# Altium PCB PexCardVer0.1.PcbDoc (part 3 of 3)
Units mil, origin at the board's own origin, x right, y up, seen from the top; angles counter-clockwise.
Board outline 5943.76 x 1774.48 mil, 4 copper layers (Top Layer, Layer 1, Layer 2, Bottom Layer), stack 62.337 mil thick; 70 components, 137 nets, 677 pads, 468 vias.
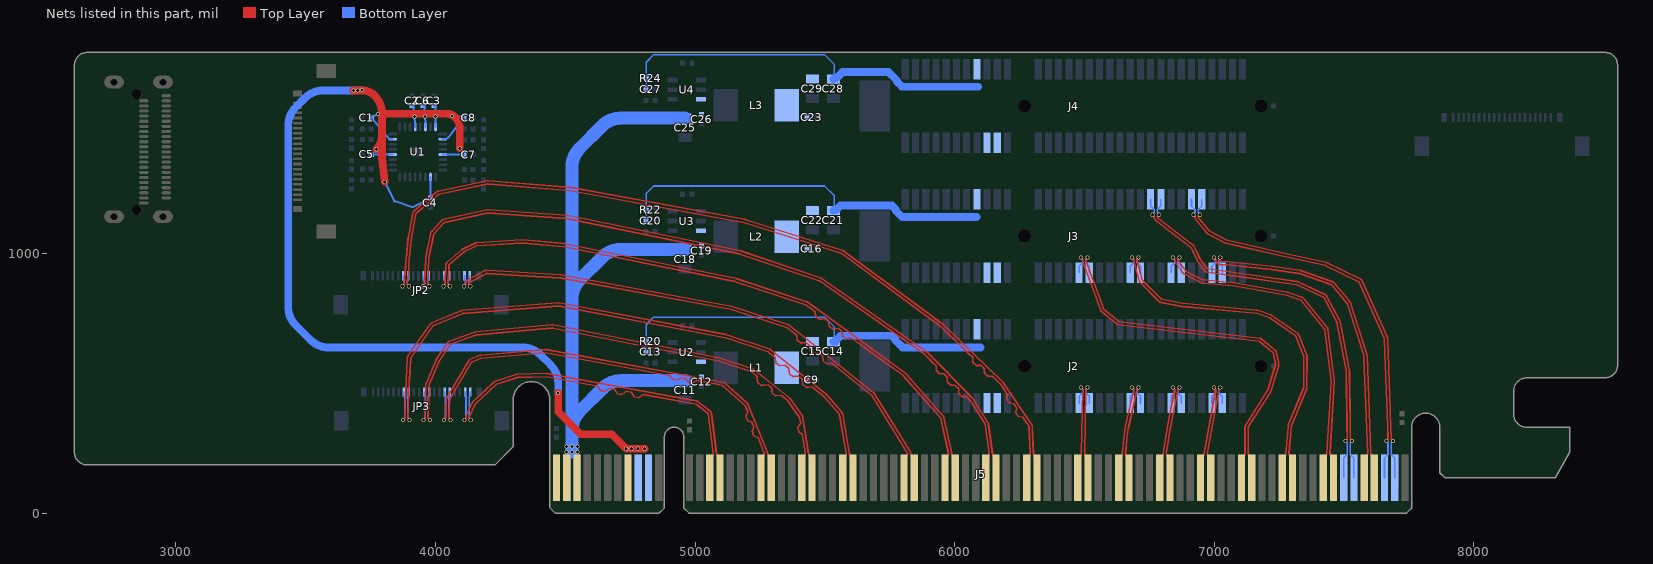
[diagram p5: the nets of this part, all layers, seen from the top]

## Via types
v1: diameter 15.75, hole 11.81, Top Layer to Bottom Layer, tented both sides, 468 vias

## Nets (pads, with @x,y where several pads share a name; then routed paths per layer and width w, separated by ;. In a path a pad name is that pad's centre, name@x,y a point inside that pad or via, vN(x,y) a via of type N, cw(c..) or ccw(c..) an arc to the next point about the centre after c; other vN are vias at no path point) (continued)
RX14_N: J3.B24 J5.A77 | length 1564.4
  Top Layer w6.38: v1(6786.64,1149.32) 6782.48,1145.15 ccw(c6787,1140.64) 6783.13,1135.57 6916.13,1034 ; 6916.19,1033.96 cw(c6909.19,1023.75) 6920.06,1029.68 6929.14,1013.03 cw(c6901.6,998) 6930.26,1010.78 6944.88,977.98 ccw(c6950.71,980.58) 6945.58,976.79 6970.4,943.16 ccw(c6975.53,946.95) 6974.64,940.64 7109.96,922 cw(c7108.27,909.74) 7110.02,922 7317.78,892.39 cw(c7316.04,880.14) 7317.9,892.38 cw(c7315.12,873.82) 7323.18,890.76 7425.37,842.1 cw(c7420.05,830.93) 7425.65,841.97 cw(c7417.25,825.19) 7433.85,833.94 7482.51,741.61 cw(c7471.56,735.84) 7482.61,741.41 cw(c7465.89,732.9) 7484.31,736.47 7520.05,551.91 cw(c7507.89,549.56) 7520.08,551.73 cw(c7501.62,548.38) 7520.38,548.65 7523.4,336.19 ; 7523.4,336.15 7524.01,287.5 cw(c7505.25,287.27) 7524.01,287.27 ccw(c7530.39,287.27) 7525.87,282.77 v1(7530.02,278.59)
  Bottom Layer w6.38: v1(6786.64,1149.32) 6786.64,1151.73 6780.62,1157.74 6780.62,1169.65 6794.12,1183.14 J3.B24@6794.12,1208.73 ; v1(7530.02,278.59) 7530.02,276.19 7524.01,270.17 7524.01,225.57 7537.5,212.08 J5.A77@7537.5,136.08
RX14_P: J3.B23 J5.A76 | length 1563.6
  Top Layer w6.38: v1(6762.23,1149.32) 6766.38,1145.15 cw(c6761.86,1140.64) 6768.24,1140.64 ccw(c6787,1140.64) 6775.62,1125.74 6908.62,1024.16 ; 6909.19,1023.75 6918.28,1007.1 cw(c6901.6,998) 6918.95,1005.74 6933.58,972.94 ccw(c6950.71,980.58) 6935.62,969.44 6960.44,935.81 ; 6960.48,935.76 ccw(c6975.53,946.95) 6972.91,928.38 ; 6972.93,928.37 7108.27,909.74 ; 7108.3,909.74 7316.04,880.14 cw(c7315.12,873.82) 7317.86,879.58 7420.05,830.93 cw(c7417.25,825.19) 7422.89,828.17 7471.56,735.84 cw(c7465.89,732.9) 7472.16,734.11 7507.89,549.56 cw(c7501.62,548.38) 7508,548.47 7511.02,336.01 7511.57,292.22 7511.63,287.33 cw(c7505.25,287.27) 7509.77,282.77 v1(7505.61,278.59)
  Bottom Layer w6.38: J3.B23@6754.75,1208.73 6754.75,1183.14 6768.24,1169.65 6768.24,1157.74 6762.23,1151.73 v1(6762.23,1149.32) ; J5.A76@7498.13,136.08 7498.13,212.08 7511.63,225.57 7511.63,270.17 7505.61,276.19 v1(7505.61,278.59)
RX15_N: J3.B28 J5.A81 | length 1561.9
  Top Layer w6.38: v1(6944.12,1149.32) 6939.96,1145.15 ccw(c6944.48,1140.64) 6939.54,1136.61 6941.78,1133.86 6979.79,1087.25 7049.3,1051.25 7094.95,1041.01 cw(c7092.24,1028.93) 7095.02,1041 7259.7,1003.08 ; 7259.74,1003.07 ccw(c7261.13,1009.3) 7259.8,1003.06 7429.26,966.16 cw(c7426.62,954.07) 7429.48,966.11 cw(c7425.22,947.84) 7433.41,964.72 7560.31,903.15 cw(c7554.91,892.01) 7560.43,903.09 cw(c7552.1,886.29) 7569.22,893.95 7665.79,678.19 cw(c7654.49,673.13) 7665.86,678.04 cw(c7648.66,670.55) 7667.4,671.25 7680.03,332.52 cw(c7667.66,332.06) 7680.04,332.43 7681.48,287.88 cw(c7662.73,287.27) 7681.49,287.27 ccw(c7687.87,287.27) 7683.35,282.77 v1(7687.5,278.59)
  Bottom Layer w6.38: v1(6944.12,1149.32) 6944.12,1151.73 6938.1,1157.74 6938.1,1169.65 6951.6,1183.14 J3.B28@6951.6,1208.73 ; v1(7687.5,278.59) 7687.5,276.19 7681.49,270.17 7681.49,225.57 7694.98,212.08 J5.A81@7694.98,136.08
RX15_P: J3.B27 J5.A80 | length 1557.2
  Top Layer w6.38: v1(6919.71,1149.32) 6923.86,1145.15 cw(c6919.34,1140.64) 6925.72,1140.64 ccw(c6944.48,1140.64) 6929.94,1128.79 6970.17,1079.46 ccw(c6979.79,1087.25) 6971.39,1078.16 ccw(c6979.79,1087.25) 6971.45,1078.1 ; 6974.1,1076.26 7043.58,1040.27 ccw(c7049.3,1051.25) 7046.54,1039.19 ccw(c7049.3,1051.25) 7046.59,1039.18 7092.24,1028.93 7256.93,991.02 7257.02,990.99 ; 7257.04,990.99 ccw(c7261.13,1009.3) 7257.19,990.96 7426.62,954.07 ; 7428,953.58 7554.91,892.01 cw(c7552.1,886.29) 7557.92,888.89 7654.49,673.13 cw(c7648.66,670.55) 7655.03,670.79 7667.66,332.06 7668.97,291.76 7669.11,287.48 cw(c7662.73,287.27) 7667.25,282.77 v1(7663.09,278.59)
  Bottom Layer w6.38: J3.B27@6912.23,1208.73 6912.23,1183.14 6925.72,1169.65 6925.72,1157.74 6919.71,1151.73 v1(6919.71,1149.32) ; J5.A80@7655.61,136.08 7655.61,212.08 7669.11,225.57 7669.11,270.17 7663.09,276.19 v1(7663.09,278.59)
TX0_N: J5.B15 JP3.2 | length 1422.5
  Top Layer w6.38: v1(4111.96,359) 4116.12,363.18 ccw(c4111.6,367.68) 4117.98,367.68 ; 4117.97,367.68 cw(c4136.73,367.68) 4117.98,368.12 cw(c4136.73,367.68) 4119.67,375.46 4142.63,425.82 ; 4142.64,425.85 cw(c4153.89,420.68) 4145.47,429.76 4227.25,505.91 cw(c4235.69,496.85) 4231.77,508.59 cw(c4235.69,496.85) 4231.92,508.64 4312.22,534.29 cw(c4315.99,522.5) 4315.61,534.87 4426.6,538.21 cw(c4426.97,525.83) 4429.22,538.01 5006.67,431.73 cw(c5004.43,419.55) 5012.01,429.34 5056.56,394.79 cw(c5045.07,379.97) 5063.65,382.52 cw(c5051.39,380.8) 5063.67,382.36 5082.92,230.44 cw(c5064.3,228.09) 5083.06,228.09 ccw(c5089.44,228.09) 5085.73,222.9 J5.B15@5096.56,136.08
  Bottom Layer w6.38: v1(4111.96,359) 4111.96,361.41 4117.98,367.42 4117.98,450.06 4114.32,453.7 JP3.2@4114.32,466.5
TX0_P: J5.B14 JP3.1 | length 1420.9
  Top Layer w6.38: v1(4136.37,359) 4132.2,363.19 cw(c4136.73,367.68) 4130.36,367.83 cw(c4136.73,367.68) 4130.93,370.32 4153.89,420.68 4235.69,496.85 4315.99,522.5 4426.97,525.83 4606,492.88 4623.71,489.62 4635.75,472.14 4653.45,468.89 4670.93,480.93 4688.64,477.67 4700.68,460.19 4718.39,456.94 4735.87,468.98 4753.57,465.72 4765.61,448.24 4783.32,444.98 4800.8,457.03 4873.74,443.6 5004.43,419.55 5048.97,385.01 cw(c5045.07,379.97) 5051.39,380.8 5070.64,228.86 cw(c5064.3,228.09) 5070.68,228.09 cw(c5064.3,228.09) 5068,222.89 J5.B14@5057.19,136.08
  Bottom Layer w6.38: JP3.1@4134.01,466.5 4134.01,453.7 4130.35,450.06 4130.35,367.42 4136.37,361.41 v1(4136.37,359)
TX1_N: J5.B20 JP3.6 | length 1790.8
  Top Layer w6.38: v1(4033.22,359) 4037.38,363.18 ccw(c4032.86,367.68) 4039.24,367.68 cw(c4057.99,367.68) 4039.25,368.45 4042.09,437.45 cw(c4054.46,436.94) 4042.1,437.52 cw(c4054.46,436.94) 4043.8,443.23 4128.44,587.02 cw(c4139.11,580.74) 4134.25,592.13 ; 4134.31,592.15 4171.43,607.74 cw(c4176.23,596.33) 4175.16,608.67 4423.07,630.26 cw(c4424.17,617.93) 4424.17,630.31 cw(c4424.17,617.93) 4426.38,630.12 5107.45,504.58 cw(c5105.25,492.4) 5113.5,501.63 5200.67,423.73 cw(c5188.12,409.78) 5205.45,416.97 cw(c5194.03,412.19) 5205.52,416.81 5278.56,235.08 cw(c5261.15,228.09) 5279.91,228.09 ccw(c5286.29,228.09) 5282.58,222.9 J5.B20@5293.41,136.08
  Bottom Layer w6.38: v1(4033.22,359) 4033.22,361.41 4039.24,367.42 4039.24,450.06 4035.59,453.7 JP3.6@4035.59,466.5
TX1_P: J5.B19 JP3.5 | length 1793.2
  Top Layer w6.38: v1(4057.63,359) 4053.46,363.19 cw(c4057.99,367.68) 4051.62,367.94 4054.46,436.94 4139.11,580.74 4176.23,596.33 4424.17,617.93 4885.81,532.84 4903.52,529.58 4913.41,515.22 4931.11,511.95 4945.47,521.85 4963.18,518.58 4973.07,504.22 4990.77,500.96 5005.13,510.85 5037.17,504.94 5105.25,492.4 5117.7,481.26 5183.89,422.12 5192.34,414.57 cw(c5188.12,409.78) 5194.03,412.19 5196.43,406.21 5203.15,389.51 5196.14,373.08 5202.85,356.38 5219.28,349.37 5226.66,331 5219.66,314.57 5226.37,297.87 5242.8,290.87 5263.07,240.43 5267.07,230.47 cw(c5261.15,228.09) 5264.85,222.89 J5.B19@5254.04,136.08
  Bottom Layer w6.38: JP3.5@4055.26,466.5 4055.26,453.7 4051.61,450.06 4051.61,367.42 4057.63,361.41 v1(4057.63,359)
TX2_N: J5.B24 JP3.10 | length 2144.9
  Top Layer w6.38: v1(3954.48,359) 3958.64,363.18 ccw(c3954.11,367.68) 3960.49,367.68 cw(c3979.26,367.68) 3960.5,368.11 3963.43,495.46 cw(c3975.81,495.18) 3963.43,495.51 cw(c3975.81,495.18) 3964.4,499.99 4002.86,590.66 cw(c4014.25,585.83) 4004.03,592.81 ; 4004.04,592.83 4048.71,657.99 cw(c4058.92,650.99) 4054.72,662.64 4151.07,697.37 cw(c4157.44,679.72) 4155.49,698.38 cw(c4156.81,686.07) 4155.69,698.4 4449,725.24 cw(c4450.71,706.55) 4454.12,725 cw(c4451.9,712.82) 4454.31,724.97 5090.38,599 cw(c5087.97,586.85) 5091.8,598.63 ; 5091.82,598.62 5221.53,556.43 cw(c5217.72,544.65) 5221.57,556.41 ; 5221.6,556.41 cw(c5217.72,544.65) 5224.59,554.95 cw(c5217.72,544.65) 5225.43,554.33 5362.29,445.38 cw(c5354.58,435.69) 5364.63,442.92 5412.26,376.67 cw(c5397.03,365.72) 5415.53,368.83 cw(c5403.33,366.74) 5415.56,368.66 5437.16,231.05 cw(c5418.63,228.09) 5437.39,228.09 ccw(c5443.77,228.09) J5.B24@5440.06,222.9 ; J5.B24@5440.08,222.89 J5.B24@5450.89,136.08
  Bottom Layer w6.38: v1(3954.48,359) 3954.48,361.41 3960.49,367.42 3960.49,450.06 3956.84,453.7 JP3.10@3956.84,466.5
TX2_P: J5.B23 JP3.9 | length 2142.9
  Top Layer w6.38: v1(3978.89,359) 3974.72,363.19 cw(c3979.26,367.68) 3972.88,367.82 3975.81,495.18 4014.25,585.83 4058.92,650.99 4155.24,685.72 cw(c4157.44,679.72) 4156.81,686.07 4450.12,712.91 cw(c4450.71,706.55) 4451.9,712.82 5087.97,586.85 5217.72,544.65 5224.89,538.94 5238.98,527.73 5241.78,503.01 5255.86,491.8 5280.58,494.61 5294.66,483.39 5296.99,462.9 5311.07,451.69 5331.56,454.02 5345.64,442.81 5354.58,435.69 5356.72,432.71 5402.21,369.44 cw(c5397.03,365.72) 5403.33,366.74 5403.87,363.33 5406.66,345.55 5396.29,331.33 5399.08,313.55 5413.31,303.18 5420.36,258.21 5424.93,229.11 cw(c5418.63,228.09) 5425.01,228.09 cw(c5418.63,228.09) 5422.33,222.89 J5.B23@5411.52,136.08
  Bottom Layer w6.38: JP3.9@3976.53,466.5 3976.53,453.7 3972.88,450.06 3972.88,367.42 3978.89,361.41 v1(3978.89,359)
TX3_N: J5.B28 JP3.14 | length 2478.7
  Top Layer w6.38: v1(3875.74,359) 3879.9,363.18 ccw(c3875.38,367.68) 3881.76,367.68 cw(c3900.51,367.68) 3881.77,368.45 3887.69,512.13 cw(c3915.11,511) 3887.7,512.44 3892.24,598.62 cw(c3904.6,597.97) 3892.24,598.67 cw(c3904.6,597.97) 3894.44,605.04 3980.65,728.95 cw(c3990.81,721.88) 3986.09,733.33 4099.4,780.06 cw(c4106.55,762.72) 4104.83,781.4 cw(c4106,769.08) 4105.03,781.42 4472.29,810.27 cw(c4473.7,791.56) 4476.9,810.05 cw(c4474.84,797.84) 4477.15,810 5118.92,688.23 cw(c5115.43,669.8) 5121.15,687.66 cw(c5117.41,675.86) 5121.32,687.61 5284.87,633.08 cw(c5278.94,615.28) 5290.47,630.08 cw(c5282.89,620.29) 5290.63,629.95 5505.3,458.01 cw(c5493.57,443.37) 5507.67,455.74 cw(c5498.39,447.54) 5507.79,455.6 5564.42,389.51 cw(c5550.13,377.35) 5568.57,380.8 cw(c5556.41,378.48) 5568.61,380.6 5594.6,231.3 cw(c5576.11,228.09) 5594.87,228.09 ; 5594.88,228.09 ccw(c5601.26,228.09) 5597.53,222.9 J5.B28@5608.37,136.08
  Bottom Layer w6.38: v1(3875.74,359) 3875.74,361.41 3881.76,367.42 3881.76,450.06 3878.11,453.7 JP3.14@3878.11,466.5
TX3_P: J5.B27 JP3.13 | length 2476
  Top Layer w6.38: v1(3900.15,359) 3895.98,363.19 cw(c3900.51,367.68) 3894.14,367.94 3900.06,511.62 cw(c3915.11,511) 3900.07,511.79 3904.6,597.97 3990.81,721.88 4104.12,768.62 cw(c4106.55,762.72) 4106,769.08 4473.24,797.93 cw(c4473.7,791.56) 4474.84,797.84 5116.62,676.07 cw(c5115.43,669.8) 5117.41,675.86 5280.92,621.34 cw(c5278.94,615.28) 5282.89,620.29 5294.68,610.84 5308.73,599.59 5310.99,579.13 5325.04,567.88 5345.5,570.14 5360.95,557.76 5363.21,537.3 5377.26,526.05 5397.72,528.31 5413.17,515.93 5415.44,495.47 5429.48,484.22 5449.94,486.48 5478.13,463.91 5497.56,448.35 cw(c5493.57,443.37) 5498.39,447.54 5554.98,381.5 cw(c5550.13,377.35) 5556.41,378.48 5582.4,229.18 cw(c5576.11,228.09) 5579.81,222.89 J5.B27@5569,136.08
  Bottom Layer w6.38: JP3.13@3897.78,466.5 3897.78,453.7 3894.14,450.06 3894.14,367.42 3900.15,361.41 v1(3900.15,359)
TX4_N: J5.B34 JP2.2 | length 2130.6
  Top Layer w6.38: v1(4109.86,874) 4114.01,878.18 ccw(c4109.49,882.68) 4115.87,882.68 cw(c4134.63,882.68) 4125.77,899.21 ; 4125.79,899.22 4189.19,933.21 cw(c4195.04,922.3) 4189.32,933.27 cw(c4198.03,916.66) 4199.21,935.38 4480.54,918.32 4482.57,918.2 cw(c4481.86,905.84) 4484.11,918.01 5137.88,797.24 cw(c5134.47,778.79) 5140.02,796.71 cw(c5136.4,784.87) 5140.24,796.64 5359.77,725.1 cw(c5353.96,707.26) 5365.47,722.07 cw(c5357.91,712.27) 5365.66,721.93 5688.72,462.74 cw(c5676.98,448.11) 5692.83,458.16 cw(c5682.4,451.49) 5692.94,457.98 5828.35,237.86 cw(c5812.34,228.09) 5831.1,228.09 ccw(c5837.48,228.09) J5.B34@5833.75,222.9 ; J5.B34@5833.78,222.89 J5.B34@5844.59,136.08
  Bottom Layer w6.38: v1(4109.86,874) 4109.86,876.41 4115.87,882.42 4115.87,897.55 4112.22,901.21 JP2.2@4112.22,914
TX4_P: J5.B33 JP2.1 | length 2124.5
  Top Layer w6.38: 4131.62,888.3 ccw(c4134.63,882.68) 4130.09,878.19 v1(4134.26,874) ; 4131.64,888.31 4195.04,922.3 cw(c4198.03,916.66) 4198.41,923.03 4480.33,905.93 4481.86,905.84 5135.63,785.06 cw(c5134.47,778.79) 5136.4,784.87 5355.9,713.34 cw(c5353.96,707.26) 5357.91,712.27 5368.71,703.6 5392.01,684.91 5394.04,666.39 5408.08,655.13 5426.6,657.16 5442.05,644.77 5444.08,626.25 5458.12,614.99 5476.64,617.02 5492.08,604.63 5494.11,586.11 5508.15,574.85 5526.67,576.88 5540.71,565.61 5680.98,453.09 cw(c5676.98,448.11) 5682.39,451.49 5817.77,231.43 cw(c5812.34,228.09) 5816.03,222.89 J5.B33@5805.22,136.08
  Bottom Layer w6.38: JP2.1@4131.9,914 4131.9,901.21 4128.25,897.55 4128.25,882.42 4134.26,876.41 v1(4134.26,874)
TX5_N: J5.B38 JP2.6 | length 2510.8
  Top Layer w6.38: v1(4031.12,874) 4035.27,878.18 ccw(c4030.75,882.68) 4037.13,882.68 cw(c4055.89,882.68) 4037.15,883.46 4040.19,956.53 ; 4040.19,956.58 cw(c4052.56,956.02) 4044.48,965.4 4102.86,1015.61 cw(c4110.93,1006.22) 4105.57,1017.38 4153.62,1040.46 ; 4153.63,1040.46 cw(c4158.98,1029.3) 4158.22,1041.65 4335.3,1052.59 cw(c4336.11,1040.23) 4337.17,1052.57 ; 4337.22,1052.57 4495.79,1038.35 cw(c4494.12,1019.67) 4497.62,1038.1 cw(c4495.35,1025.93) 4497.82,1038.06 5156.13,904.2 cw(c5152.39,885.81) 5158.08,903.69 cw(c5154.36,891.88) 5158.25,903.64 5428.97,814.05 cw(c5423.08,796.24) 5433.93,811.54 cw(c5426.8,801.42) 5434.05,811.46 5808.71,540.41 cw(c5797.72,525.21) 5811.62,537.81 cw(c5802.47,529.47) 5811.74,537.67 5954.36,376.38 cw(c5940.31,363.95) 5958.59,368.16 cw(c5946.53,365.34) 5958.63,367.97 5988.16,232.01 cw(c5969.82,228.09) 5988.58,228.09 ccw(c5994.96,228.09) 5991.23,222.9 J5.B38@6002.07,136.08
  Bottom Layer w6.38: v1(4031.12,874) 4031.12,876.41 4037.13,882.42 4037.13,897.55 4033.48,901.21 JP2.6@4033.48,914
TX5_P: J5.B37 JP2.5 | length 2506.1
  Top Layer w6.38: v1(4055.52,874) 4051.35,878.19 cw(c4055.89,882.68) 4049.52,882.94 4052.56,956.02 4110.93,1006.22 4158.98,1029.3 4336.11,1040.23 4494.69,1026.02 cw(c4494.12,1019.67) 4495.35,1025.93 5153.66,892.06 cw(c5152.39,885.81) 5154.36,891.88 5425.12,802.28 cw(c5423.08,796.24) 5426.8,801.42 5447.54,786.42 5462.12,775.87 5465.21,756.61 5479.79,746.06 5499.05,749.15 5513.63,738.6 5516.72,719.35 5531.31,708.8 5550.56,711.89 5565.15,701.33 5568.24,682.08 5582.82,671.53 5602.08,674.62 5653.55,637.38 5801.46,530.38 cw(c5797.72,525.21) 5802.47,529.47 5945.09,368.18 cw(c5940.31,363.95) 5946.53,365.34 5976.04,229.47 cw(c5969.82,228.09) 5973.51,222.89 J5.B37@5962.7,136.08
  Bottom Layer w6.38: JP2.5@4053.16,914 4053.16,901.21 4049.51,897.55 4049.51,882.42 4055.52,876.41 v1(4055.52,874)
TX6_N: J5.B42 JP2.10 | length 2889.6
  Top Layer w6.38: v1(3952.38,874) 3956.53,878.18 ccw(c3952.01,882.68) 3958.39,882.68 cw(c3977.15,882.68) 3958.41,883.48 3962.61,981.96 cw(c3981.35,981.23) 3962.98,985.01 3978.49,1060.44 3982.32,1079.04 cw(c3994.44,1076.55) 3985.39,1084.99 4023.67,1126.01 cw(c4037.38,1113.21) 4033.13,1131.48 cw(c4035.98,1119.43) 4033.33,1131.53 4199.5,1167.89 cw(c4203.52,1149.57) 4204.56,1168.3 cw(c4203.91,1155.94) 4204.77,1168.29 4505.48,1147.37 cw(c4504.18,1128.65) 4507.7,1147.08 cw(c4505.42,1134.91) 4507.9,1147.04 5175.14,1010.19 cw(c5171.37,991.82) 5177.16,1009.66 cw(c5173.37,997.87) 5177.32,1009.61 5482.11,907 cw(c5476.13,889.22) 5486.69,904.73 cw(c5479.75,894.47) 5486.84,904.62 5891.7,621.41 cw(c5880.9,606.07) 5894.05,619.45 cw(c5885.41,610.59) 5894.21,619.29 6067.35,444.14 cw(c6054.01,430.95) 6069.67,441.28 cw(c6059.37,434.41) 6069.85,441.01 6127.83,348.95 cw(c6111.96,338.96) 6130.5,341.8 cw(c6118.27,339.88) 6130.53,341.58 6145.89,230.6 cw(c6127.3,228.09) 6146.06,228.09 ccw(c6152.44,228.09) J5.B42@6148.71,222.9 ; J5.B42@6148.74,222.89 J5.B42@6159.55,136.08
  Bottom Layer w6.38: v1(3952.38,874) 3952.38,876.41 3958.39,882.42 3958.39,897.55 3954.74,901.21 JP2.10@3954.74,914
TX6_P: J5.B41 JP2.9 | length 2880.6
  Top Layer w6.38: v1(3976.78,874) 3972.61,878.19 cw(c3977.15,882.68) 3970.78,882.95 3974.98,981.46 cw(c3981.35,981.23) 3975.1,982.49 3990.7,1058.33 3994.44,1076.55 4032.72,1117.56 cw(c4037.38,1113.21) 4035.97,1119.43 ; 4035.98,1119.43 4202.15,1155.8 cw(c4203.52,1149.57) 4203.91,1155.94 4504.62,1135.02 cw(c4504.18,1128.65) 4505.42,1134.91 5172.65,998.07 cw(c5171.37,991.82) 5173.37,997.87 5478.17,895.27 cw(c5476.13,889.22) 5479.75,894.47 5884.56,611.3 cw(c5880.9,606.07) 5885.41,610.59 5915.87,579.78 5928.52,566.97 5928.42,549.97 5941.08,537.16 5958.08,537.07 5972,522.99 5971.91,505.98 5984.56,493.18 6001.57,493.08 6015.49,479 6015.39,461.99 6028.04,449.19 6045.05,449.09 6058.55,435.44 cw(c6054.01,430.95) 6059.37,434.41 6117.35,342.36 cw(c6111.96,338.96) 6118.27,339.88 6133.62,228.96 cw(c6127.3,228.09) 6130.99,222.89 J5.B41@6120.18,136.08
  Bottom Layer w6.38: JP2.9@3974.42,914 3974.42,901.21 3970.77,897.55 3970.77,882.42 3976.78,876.41 v1(3976.78,874)
TX7_N: J5.B46 JP2.14 | length 3258.4
  Top Layer w6.38: v1(3873.64,874) 3877.79,878.18 ccw(c3873.27,882.68) 3879.65,882.68 cw(c3898.41,882.68) 3879.71,884.13 3884.69,948.4 3885.64,960.62 cw(c3913.01,958.5) 3885.68,961.08 3894.72,1056.67 cw(c3907.05,1055.62) 3894.87,1057.81 ; 3894.87,1057.84 3912.4,1153.93 cw(c3930.86,1150.59) 3918.74,1164.91 ; 3918.79,1164.95 4003.86,1236.46 cw(c4015.93,1222.1) 4011.92,1240.43 cw(c4014.58,1228.33) 4012.02,1240.45 4198.56,1279.92 cw(c4202.44,1261.56) 4203.76,1280.28 cw(c4202.93,1267.92) 4203.93,1280.26 4521.72,1254.36 cw(c4520.2,1235.66) 4523.38,1254.15 cw(c4521.32,1241.94) 4523.55,1254.12 5192.87,1131.24 cw(c5189.49,1112.79) 5194.98,1130.72 cw(c5191.38,1118.88) 5195.13,1130.68 5565.76,1013.1 cw(c5560.09,995.22) 5571.06,1010.44 cw(c5563.85,1000.38) 5571.18,1010.35 5952.03,730.19 cw(c5940.91,715.08) 5953.75,728.76 cw(c5945.31,719.7) 5953.91,728.61 6185.1,505.38 cw(c6172.11,491.84) 6187.52,502.54 cw(c6177.37,495.45) 6187.63,502.38 6295.27,343.09 cw(c6279.73,332.58) 6298.45,333.75 cw(c6286.1,332.94) 6298.46,333.54 6303.51,229.04 cw(c6284.78,228.09) 6303.54,228.09 ccw(c6309.92,228.09) 6306.2,222.9 J5.B46@6317.03,136.08
  Bottom Layer w6.38: v1(3873.64,874) 3873.64,876.41 3879.65,882.42 3879.65,897.55 3876,901.21 JP2.14@3876,914
TX7_P: J5.B45 JP2.13 | length 3259.1
  Top Layer w6.38: v1(3898.04,874) 3893.87,878.19 cw(c3898.41,882.68) 3892.05,883.17 3897.07,947.82 3897.99,959.67 cw(c3913.01,958.5) 3898.01,959.92 3907.04,1055.53 ccw(c3900.88,1056.11) 3907.05,1055.62 3924.59,1151.73 cw(c3930.86,1150.59) 3926.74,1155.46 ; 3926.76,1155.48 4011.82,1226.98 cw(c4015.93,1222.1) 4014.58,1228.33 4201.12,1267.8 cw(c4202.44,1261.56) 4202.93,1267.92 4520.74,1242.02 cw(c4520.2,1235.66) 4521.32,1241.94 5190.67,1119.06 ; 5190.68,1119.05 cw(c5189.49,1112.79) 5191.38,1118.88 5562.02,1001.3 ; 5563.85,1000.38 5944.69,720.22 cw(c5940.91,715.08) 5945.31,719.7 6056.48,612.36 6069.43,599.85 6069.76,581.07 6082.71,568.56 6101.5,568.89 6114.45,556.39 6114.74,539.4 6127.69,526.89 6144.68,527.19 6157.63,514.69 6176.54,496.43 cw(c6172.11,491.84) 6177.37,495.45 6192.5,473.07 6193.26,471.93 6203.34,457.02 6199.99,439.69 6210.06,424.77 6227.4,421.42 6238.48,405.01 6235.13,387.68 6245.21,372.77 6262.54,369.42 6278.08,346.41 6278.85,345.28 6285.01,336.16 cw(c6279.73,332.58) 6286.1,332.94 6291.15,228.39 cw(c6284.78,228.09) 6288.47,222.89 J5.B45@6277.66,136.08
  Bottom Layer w6.38: JP2.13@3895.68,914 3895.68,901.21 3892.03,897.55 3892.03,882.42 3898.04,876.41 v1(3898.04,874)
TX8_N: J2.A17 J5.B51 | length 418.9
  Top Layer w6.38: v1(6511.05,483.68) 6506.89,479.5 ccw(c6511.41,475) 6505.03,475 cw(c6486.27,475) 6505.03,474.65 6505.03,474.6 6500.39,228.2 ccw(c6506.77,228.09) 6500.39,228.12 ccw(c6506.77,228.09) 6503.06,222.9 J5.B51@6513.88,136.08
  Bottom Layer w6.38: v1(6511.05,483.68) 6511.05,481.27 6505.03,475.26 6505.03,463.35 6518.53,449.86 J2.A17@6518.53,424.27
TX8_P: J2.A16 J5.B50 | length 418.9
  Top Layer w6.38: J5.B50@6474.51,136.08 6485.32,222.89 ccw(c6481.63,228.09) 6488.01,228.09 cw(c6506.77,228.09) 6488.01,228.43 6492.65,474.85 ccw(c6486.27,475) 6490.79,479.5 v1(6486.64,483.68)
  Bottom Layer w6.38: J2.A16@6479.16,424.27 6479.16,449.86 6492.65,463.35 6492.65,475.26 6486.64,481.27 v1(6486.64,483.68)
TX9_N: J2.A22 J5.B55 | length 423.2
  Top Layer w6.38: J5.B55@6671.36,136.08 6660.55,222.89 cw(c6664.25,228.09) 6657.87,228.09 cw(c6664.25,228.09) 6657.9,228.69 6663.08,282.81 cw(c6681.99,281) 6663.15,283.45 6669.16,329.58 cw(c6675.49,328.76) 6669.25,330.08 6701.41,470.82 ccw(c6683.12,475) 6701.88,475 cw(c6708.26,475) 6703.74,479.5 v1(6707.9,483.68)
  Bottom Layer w6.38: v1(6707.9,483.68) 6707.9,481.27 6701.88,475.26 6701.88,463.35 6715.38,449.86 J2.A22@6715.38,424.27
TX9_P: J2.A21 J5.B54 | length 421.7
  Top Layer w6.38: J5.B54@6631.99,136.08 6642.8,222.89 ccw(c6639.11,228.09) 6645.49,228.09 cw(c6664.25,228.09) 6645.57,229.87 6650.75,283.99 cw(c6681.99,281) 6650.87,285.05 6656.89,331.18 ; 6657.14,332.67 cw(c6669.25,330.09) 6657.18,332.85 6689.35,473.61 ccw(c6683.12,475) 6688.32,478.7 ccw(c6683.12,475) 6687.64,479.5 v1(6683.49,483.68)
  Bottom Layer w6.38: J2.A21@6676.01,424.27 6676.01,449.86 6689.5,463.35 6689.5,475.26 6683.49,481.27 v1(6683.49,483.68)
TX10_N: J2.A26 J5.B59 | length 422.8
  Top Layer w6.38: J5.B59@6818.02,222.9 cw(c6821.73,228.09) 6815.35,228.09 cw(c6821.73,228.09) 6815.38,228.7 cw(c6821.73,228.09) 6815.42,229.07 6830.41,326.28 6859,471.33 6859.02,471.41 ccw(c6840.6,475) 6859.36,475 cw(c6865.74,475) 6861.22,479.5 v1(6865.38,483.68) ; J5.B59@6818.03,222.89 J5.B59@6828.84,136.08
  Bottom Layer w6.38: v1(6865.38,483.68) 6865.38,481.27 6859.36,475.26 6859.36,463.35 6872.86,449.86 J2.A26@6872.86,424.27
TX10_P: J2.A25 J5.B58 | length 422.8
  Top Layer w6.38: J5.B58@6789.47,136.08 6800.28,222.89 ccw(c6796.59,228.09) 6802.97,228.09 cw(c6821.73,228.09) 6803.19,230.95 6818.18,328.16 cw(c6830.41,326.27) 6818.27,328.67 6846.86,473.74 ccw(c6840.6,475) 6845.12,479.5 v1(6840.97,483.68)
  Bottom Layer w6.38: J2.A25@6833.49,424.27 6833.49,449.86 6846.98,463.35 6846.98,475.26 6840.97,481.27 v1(6840.97,483.68)
TX11_N: J2.A30 J5.B63 | length 422.8
  Top Layer w6.38: J5.B63@6986.32,136.08 6975.51,222.89 cw(c6979.21,228.09) 6972.83,228.09 cw(c6979.21,228.09) 6972.86,228.69 cw(c6979.21,228.09) 6972.93,229.22 7016.55,471.68 ccw(c6998.08,475) 7016.84,475 cw(c7023.22,475) 7018.7,479.5 v1(7022.86,483.68)
  Bottom Layer w6.38: v1(7022.86,483.68) 7022.86,481.27 7016.84,475.26 7016.84,463.35 7030.34,449.86 J2.A30@7030.34,424.27
TX11_P: J2.A29 J5.B62 | length 422.8
  Top Layer w6.38: J5.B62@6946.95,136.08 6957.76,222.89 ccw(c6954.07,228.09) 6960.45,228.09 cw(c6979.21,228.09) 6960.53,229.87 cw(c6979.21,228.09) 6960.74,231.41 7004.36,473.87 ccw(c6998.08,475) 7003.36,478.59 ccw(c6998.08,475) 7002.61,479.5 v1(6998.45,483.68)
  Bottom Layer w6.38: J2.A29@6990.97,424.27 6990.97,449.86 7004.46,463.35 7004.46,475.26 6998.45,481.27 v1(6998.45,483.68)
TX12_N: J3.A17 J5.B67 | length 1503.1
  Top Layer w6.38: v1(6511.05,984.68) 6506.89,980.5 ccw(c6511.41,976) 6506.61,980.21 ccw(c6511.41,976) 6505.42,973.81 6558.62,828.06 6574.36,784.94 cw(c6568.55,782.82) 6574.39,784.87 6630.56,739.17 ccw(c6634.59,744.12) 6633.84,737.78 7173.12,674.22 cw(c7171.67,661.93) 7173.32,674.2 cw(c7170.89,655.59) 7182.87,670.03 7234.09,627.53 cw(c7226.23,617.96) 7238.31,620.67 7247.73,578.3 cw(c7229.41,574.23) 7247.41,568.93 ; J5.B67@7132.97,222.9 cw(c7136.69,228.09) 7130.31,228.09 7130.31,329.15 cw(c7136.69,329.15) 7131.31,332.59 7216.53,467.25 ccw(c7206.06,473.87) 7216.63,467.41 ccw(c7200.65,477.25) 7218.64,471.91 7247.4,568.89 ; J5.B67@7132.99,222.89 J5.B67@7143.8,136.08
  Bottom Layer w6.38: v1(6511.05,984.68) 6511.05,982.27 6505.03,976.26 6505.03,964.35 6518.53,950.86 J3.A17@6518.53,925.27
TX12_P: J3.A16 J5.B66 | length 1503.1
  Top Layer w6.38: v1(6486.64,984.68) 6490.79,980.5 cw(c6486.27,976) 6492.65,976 ccw(c6511.41,976) 6493.79,969.57 6546.95,823.93 6562.72,780.73 ccw(c6574.39,784.87) 6566.42,775.4 ccw(c6574.39,784.87) 6566.51,775.32 ; 6566.55,775.28 6622.75,729.57 ccw(c6634.59,744.12) 6632.37,725.49 7171.67,661.93 cw(c7170.89,655.59) 7174.97,660.5 7226.23,617.96 7235.64,575.61 cw(c7229.41,574.23) 7235.53,572.42 7206.77,475.43 cw(c7200.65,477.25) 7206.06,473.87 7120.86,339.22 ccw(c7136.69,329.15) 7117.93,329.15 7117.93,228.09 cw(c7111.55,228.09) 7115.24,222.89 J5.B66@7104.43,136.08
  Bottom Layer w6.38: J3.A16@6479.16,925.27 6479.16,950.86 6492.65,964.35 6492.65,976.26 6486.64,982.27 v1(6486.64,984.68)
TX13_N: J3.A22 J5.B71 | length 1393.7
  Top Layer w6.38: v1(6707.9,984.68) 6703.74,980.5 ccw(c6708.26,976) 6703.16,979.83 ccw(c6708.26,976) 6702.1,974.34 6722.76,898.03 6722.94,897.37 6794.62,825.39 ccw(c6799.14,829.89) 6797.92,823.63 6877.55,808.12 7162.05,782.03 cw(c7161.7,769.65) 7162.22,782.02 cw(c7161.49,763.27) 7167.44,781.06 7217.16,764.42 cw(c7213.23,752.68) 7220.32,762.83 7320.11,693.09 cw(c7313.02,682.94) 7323.25,689.91 cw(c7313.02,682.94) 7324.5,687.56 7356.25,608.61 cw(c7344.77,604) 7357.15,603.92 7356.39,484.15 cw(c7344.01,484.23) 7356.38,483.92 cw(c7337.63,484.32) 7355.01,477.25 7296.88,334.36 ccw(c7302.79,331.95) 7296.43,332.48 7287.82,228.73 ; 7287.82,228.72 ccw(c7294.17,228.09) 7287.79,228.12 ccw(c7294.17,228.09) 7290.46,222.9 J5.B71@7301.28,136.08
  Bottom Layer w6.38: v1(6707.9,984.68) 6707.9,982.27 6701.88,976.26 6701.88,964.35 6715.38,950.86 J3.A22@6715.38,925.27
TX13_P: J3.A21 J5.B70 | length 1393.7
  Top Layer w6.38: v1(6683.49,984.68) 6687.64,980.5 cw(c6683.12,976) 6689.5,976 ccw(c6708.26,976) 6690.15,971.1 6710.76,894.97 6710.98,894.18 ccw(c6722.94,897.36) 6714.11,888.69 ccw(c6722.94,897.36) 6714.16,888.64 6785.85,816.65 ccw(c6799.14,829.89) 6795.55,811.47 6875.19,795.97 ccw(c6877.55,808.12) 6875.27,795.95 ccw(c6877.55,808.12) 6876.46,795.79 7160.89,769.7 ccw(c7162.05,782.03) 7161.66,769.65 ; 7161.7,769.65 cw(c7161.49,763.27) 7163.51,769.32 7213.23,752.68 7313.02,682.94 7344.77,604 7344.01,484.23 cw(c7337.63,484.32) 7343.54,481.91 7285.41,339.02 ccw(c7302.79,331.95) 7284.1,333.5 7275.49,229.83 ccw(c7294.17,228.09) 7275.41,228.09 cw(c7269.03,228.09) 7272.72,222.89 J5.B70@7261.91,136.08
  Bottom Layer w6.38: J3.A21@6676.01,925.27 6676.01,950.86 6689.5,964.35 6689.5,976.26 6683.49,982.27 v1(6683.49,984.68)
TX14_N: J3.A26 J5.B75 | length 1330.4
  Top Layer w6.38: v1(6865.38,984.68) 6861.22,980.5 ccw(c6865.74,976) 6859.91,978.59 ccw(c6865.74,976) 6860.39,972.54 ccw(c6865.74,976) 6860.57,972.26 6889.48,932.27 6955.04,898.43 7074.71,888.02 cw(c7073.64,875.69) 7074.88,888.01 cw(c7073.05,869.34) 7076.36,887.81 7280.66,851.28 cw(c7278.48,839.09) 7280.89,851.24 cw(c7277.31,832.82) 7283.37,850.57 7336.32,832.3 cw(c7332.28,820.59) 7336.54,832.22 cw(c7330.15,814.58) 7344.71,826.41 7433.45,717.23 cw(c7423.85,709.42) 7433.57,717.08 cw(c7418.87,705.42) 7437.49,707.75 7462.22,510.08 cw(c7449.93,508.54) 7462.24,509.91 cw(c7443.6,507.78) 7462.32,506.56 7445.28,228.48 ccw(c7451.65,228.09) 7445.27,228.12 ccw(c7451.65,228.09) 7447.94,222.9 J5.B75@7458.76,136.08
  Bottom Layer w6.38: v1(6865.38,984.68) 6865.38,982.27 6859.36,976.26 6859.36,964.35 6872.86,950.86 J3.A26@6872.86,925.27
TX14_P: J3.A25 J5.B74 | length 1330.5
  Top Layer w6.38: v1(6840.97,984.68) 6845.12,980.5 cw(c6840.6,976) 6846.98,976 ccw(c6865.74,976) 6848.22,969.3 ccw(c6865.74,976) 6850.54,965.01 6879.45,925.02 ccw(c6889.48,932.27) 6879.49,924.97 ccw(c6889.48,932.27) 6883.83,921.26 6949.33,887.45 ccw(c6955.04,898.43) 6953.92,886.1 ; 6953.97,886.1 7073.64,875.69 cw(c7073.05,869.34) 7074.18,875.62 7278.48,839.09 cw(c7277.31,832.82) 7279.39,838.85 7332.28,820.59 cw(c7330.15,814.58) 7335.1,818.6 7423.85,709.42 cw(c7418.87,705.42) 7425.2,706.22 7449.93,508.54 cw(c7443.6,507.78) 7449.96,507.34 7432.92,229.23 ccw(c7451.65,228.09) 7432.89,228.09 cw(c7426.51,228.09) 7430.2,222.89 J5.B74@7419.39,136.08
  Bottom Layer w6.38: J3.A25@6833.49,925.27 6833.49,950.86 6846.98,964.35 6846.98,976.26 6840.97,982.27 v1(6840.97,984.68)
TX15_N: J3.A30 J5.B79 | length 1322.9
  Top Layer w6.38: v1(7022.86,984.68) 7019.17,980.97 7018.7,980.5 ccw(c7023.22,976) 7023.03,969.63 ; 7023.03,969.62 7050.41,968.81 cw(c7050.04,956.43) 7051.34,968.74 7221.37,950.83 cw(c7220.07,938.52) 7221.84,950.77 7328.17,935.49 cw(c7326.41,923.23) 7328.31,935.47 cw(c7325.47,916.92) 7331.57,934.66 ; 7331.58,934.66 7453.39,892.28 cw(c7449.32,880.58) 7453.54,892.22 cw(c7447.19,874.57) 7461.63,886.54 7522.73,812.86 cw(c7513.2,804.96) 7522.86,812.71 cw(c7508.27,800.92) 7526.15,806.58 7587.54,612.58 cw(c7575.73,608.84) 7587.58,612.42 cw(c7569.64,606.95) 7588.39,607.66 7602.73,228.84 cw(c7583.99,228.09) 7602.75,228.09 ccw(c7609.13,228.09) J5.B79@7605.41,222.9 ; J5.B79@7605.43,222.89 J5.B79@7616.24,136.08
  Bottom Layer w6.38: v1(7022.86,984.68) 7022.86,982.27 7016.84,976.26 7016.84,964.35 7030.34,950.86 J3.A30@7030.34,925.27
TX15_P: J3.A29 J5.B78 | length 1322.9
  Top Layer w6.38: v1(6998.45,984.68) 7002.61,980.5 cw(c6998.08,976) 7004.46,976 ccw(c7023.22,976) 7022.66,957.25 7050.04,956.43 7220.07,938.52 7326.41,923.23 cw(c7325.47,916.92) 7327.53,922.96 7449.32,880.58 cw(c7447.19,874.57) 7452.1,878.64 7513.2,804.96 cw(c7508.27,800.92) 7514.36,802.81 7575.73,608.84 cw(c7569.64,606.95) 7576.02,607.19 7590.36,228.36 cw(c7583.99,228.09) 7587.68,222.89 J5.B78@7576.87,136.08
  Bottom Layer w6.38: J3.A29@6990.97,925.27 6990.97,950.86 7004.46,964.35 7004.46,976.26 6998.45,982.27 v1(6998.45,984.68)
"VCC3.3V ": C1.2 C2.2 C3.2 C4.2 C5.2 C6.2 C7.2 C8.2 J5.A9 J5.A10 J5.B8 U1.2 U1.5 U1.10 U1.20 U1.23 U1.28 U1.30 U1.32 | length 4757.2
  Top Layer w30: v1(3684,1628) 3717.72,1628 cw(c3717.72,1559.72) 3766,1608 cw(c3697.19,1539.19) 3794.5,1539.19 3794.5,1538 ; v1(3773,1401.6) ccw(c3721.09,1453.51) 3794.5,1453.51 ; v1(3805,1276) 3794.5,1367.98 3794.5,1538 ; 4076.5,1524.5 ccw(c4043.91,1491.91) 4043.91,1538 3794.5,1538 ; 4076.53,1524.47 cw(c4034.25,1482.25) 4094,1482.25 v1(4094,1405) ; v1(4473,463) 4473,391 4560,304 4679,304 v1(4735,248) v1(4755,248) v1(4780,248) v1(4806,248)
  Bottom Layer w8: v1(3773,1401.6) C5.2@3753,1381.6 3758.84,1381.15 U1.20@3835.5,1381.15 ; v1(3779,1538) 3758.84,1527.84 C1.2@3753,1522 3758.84,1516.16 3810.77,1454.36 3824.18,1440.22 U1.23@3835.5,1440.22 ; v1(3805,1276) 3840.44,1204.71 3841.02,1203.54 3843.27,1201.28 3909.5,1179.04 3912.68,1179.04 3914.36,1179.87 C4.2@3981,1213 3981.22,1218.84 U1.10@3981.22,1294.5 ; C2.2@3910,1570 3915.84,1564.16 v1(3919.44,1526.95) 3922.16,1498.82 U1.28@3922.16,1487.5 ; C6.2@3952,1570 3957.84,1564.16 v1(3959.89,1527.94) 3961.53,1498.82 U1.30@3961.53,1487.5 ; C3.2@3994,1570 3999.84,1564.16 v1(4000.44,1527.99) 4000.91,1498.82 U1.32@4000.91,1487.5 ; U1.5@4028.5,1381.15 4104.84,1381.15 C7.2@4110.68,1381 4104.84,1386.84 v1(4094,1405) ; U1.2@4028.5,1440.22 4039.82,1440.22 4048.55,1446.51 4053.23,1451.19 4104.84,1516.16 C8.2@4110.68,1522 4104.84,1527.84 v1(4064,1530)
  Bottom Layer w30: v1(3718,1629) 3686.41,1629 ccw(c3686.41,1625.59) v1(3684,1628) 3568.42,1628 ccw(c3568.42,1528) 3497.71,1598.71 3462.29,1563.29 ccw(c3533,1492.58) 3433,1492.58 3433,794.42 ccw(c3533,794.42) 3462.29,723.71 3518.71,667.29 ccw(c3589.42,738) 3589.42,638 4335.58,638 cw(c4335.58,538) 4406.29,608.71 4443.71,571.29 cw(c4373,500.58) 4473,500.58 v1(4473,463)
  other v1: 3701,1628
VCC3.3V-A: C9.1 C13.2 C14.1 C15.1 J2.A9 J2.A10 J2.B8 L1.2 R20.1 | length 1510.3
  Bottom Layer w6: C13.2@4810.91,621 4811.46,621.55 4811.46,662.45 R20.1@4812.01,663 4812.01,726.01 4841,755 5499,755 5537,717 C14.1@5537,664
  Bottom Layer w30: C14.1@5533,660 5540.5,660 5543,662.5 5543,665.85 5560.57,683.43 5758.68,683.43 5769.81,672.3 5769.81,667.77 5799.58,638 6098.95,638
VCC3.3V-B: C16.1 C20.2 C21.1 C22.1 J3.A9 J3.A10 J3.B8 L2.2 R22.1 | length 1493.6
  Bottom Layer w6: C20.2@4810.91,1126 4811.46,1126.55 4811.46,1167.45 R22.1@4812.01,1168 4812.01,1231.01 4841,1260 5499,1260 5537,1222 5537,1169 C21.1@5535.5,1167.5
  Bottom Layer w30: C21.1@5533,1165 5535.5,1167.5 5543,1167.5 5559.93,1184.43 5758.68,1184.43 5773.45,1169.66 5773.45,1165.13 5798.34,1140.24 6084.24,1140.24
VCC3.3V-C: C23.1 C27.2 C28.1 C29.1 J4.A9 J4.A10 J4.B8 L3.2 R24.1 | length 1512.3
  Bottom Layer w6: C27.2@4810.91,1632 4811.46,1632.55 4811.46,1673.45 R24.1@4812.01,1674 4812.01,1737.01 4841,1766 5499,1766 5537,1728 5537,1675 C28.1@5533,1671
  Bottom Layer w30: C28.1@5533,1671 5535.5,1673.5 5543,1673.5 5568.2,1698.7 5745.41,1698.7 5777.09,1667.02 5777.09,1662.49 5797.58,1642 6090.78,1642
VCC12V: C11.2 C12.2 C18.2 C19.2 C25.2 C26.2 J5.A2 J5.A3 J5.B1 J5.B2 J5.B3 U2.3 U3.3 U4.3 | length 2686.3
  Bottom Layer w50: v1(4526,236) v1(4526,257) 4526,320.58 ; C11.2@4962,510 4715.42,510 ccw(c4715.42,410) 4644.71,480.71 4555.29,391.29 ccw(c4626,320.58) 4526,320.58 ; C18.2@4962,1015 4713.42,1015 ccw(c4713.42,915) 4642.71,985.71 4555.29,898.29 ccw(c4626,827.58) 4526,827.58 ; C25.2@4962,1521 4713.42,1521 ccw(c4713.42,1421) 4642.71,1491.71 4555.29,1404.29 ccw(c4626,1333.58) 4526,1333.58 4526,827.58 ; 4526,320.58 4526,827.58
  other v1: 4505,236 4547,236 4505,257 4547,257
pads on no net: J1. J1.A1 J1.A9 J1.A10 J1.A12 J1.A13 J1.A21 J1.B1 J1.B9 J1.B10 J1.B12 J1.B13 J1.B21 J1.SH1 J1.SH2 J1.SH3 J1.SH4 J2. J2.A1 J2.A2 J2.A3 J2.A5 J2.A6 J2.A7 J2.A8 J2.A19 J2.A32 J2.B1 J2.B2 J2.B3 J2.B5 J2.B6 J2.B9 J2.B10 J2.B11 J2.B12 J2.B17 J2.B30 J2.B31 J2.SH2 J3. J3.A1 J3.A2 J3.A3 J3.A5 J3.A6 J3.A7 J3.A8 J3.A19 J3.A32 J3.B1 J3.B2 J3.B3 J3.B5 J3.B6 J3.B9 J3.B10 J3.B11 J3.B12 J3.B17 J3.B30 J3.B31 J3.SH2 J4. J4.A1 J4.A2 J4.A3 J4.A5 J4.A6 J4.A7 J4.A8 J4.A19 J4.A32 J4.B1 J4.B2 J4.B3 J4.B5 J4.B6 J4.B9 J4.B10 J4.B11 J4.B17 J4.B30 J4.B31 J4.SH2 J5.A5 J5.A6 J5.A7 J5.A8 J5.A19 J5.A32 J5.A33 J5.A50 J5.B5 J5.B6 J5.B9 J5.B10 J5.B11 J5.B17 J5.B30 J5.B31 J5.B48 J5.B82 JP2.17 JP2.18 JP3.17 JP3.18 JP3.19 JP4.5 JP4.10 JP4.11 JP4.16 U1.11 U1.12 U1.25 U1.26 U1.27 U1.29 U2.5 U3.5 U4.5

## Polygon pours and split planes (outlines as drawn)
GND on Bottom Layer "GND_L04_P002" (solid, remove dead copper, pour order 2): 5769,1628 5769,1468 5756,1455 5470,1455 5454,1471 5454,1544 5427,1571 5427,1620 5438,1631 5571,1631 5606,1666 5731,1666
GND on Bottom Layer "GND_L04_P001" (solid, remove dead copper, pour order 1): 5742,1165 5761,1146 5761,966 5744,949 5467,949 5452,964 5452,1040 5428,1064 5428,1114 5438,1124 5571,1124 5612,1165
GND on Bottom Layer "GND_L04_P000" (solid, remove dead copper, pour order 0): 5764,610 5764,466 5745,447 5476,447 5453,470 5453,530 5426,557 5426,605 5437,616 5562,616 5582,636 5582,644 5601,663 5739,663 5764,638
GND on Layer 1 "GND_L02_P003" (solid, remove dead copper, pour order 3): 4441.06,19.93 4460.75,0.25 4862.32,0.25 4882.01,19.93 4882.01,293.56 cw(c4919.41,293.56) 4956.81,293.56 4956.81,19.93 4976.5,0.25 7740.28,0.25 7759.96,19.93 7759.96,330.96 cw(c7814.1,330.99) 7868.23,330.99 7868.34,155.97 7888.34,135.97 8313.34,135.97 8368.34,235.97 8368.34,330.97 8203.34,330.97 cw(c8203.34,380.97) 8153.34,380.97 8153.34,470.97 cw(c8203.34,470.97) 8203.34,520.97 8503.34,520.97 ccw(c8503.34,570.97) 8553.34,570.97 8553.34,1724.73 ccw(c8503.34,1724.73) 8503.34,1774.73 2659.91,1774.73 ccw(c2659.91,1724.73) 2609.91,1724.73 2609.57,235.73 ccw(c2659.57,235.73) 2659.57,185.73 4229.58,185.73 4299.29,255.45 4299.29,434.74 cw(c4370.18,435.69) 4441.07,435.44 4441.06,330.96
GND on Layer 2 "GND_L03_P004" (solid, remove dead copper, pour order 4): 4441.06,19.93 4460.75,0.25 4862.32,0.25 4882.01,19.93 4882.01,293.56 cw(c4919.41,293.56) 4956.81,293.56 4956.81,19.93 4976.5,0.25 7740.28,0.25 7759.96,19.93 7759.96,330.96 cw(c7814.1,330.99) 7868.23,330.99 7868.34,155.97 7888.34,135.97 8313.34,135.97 8368.34,235.97 8368.34,330.97 8203.34,330.97 cw(c8203.34,380.97) 8153.34,380.97 8153.34,470.97 cw(c8203.34,470.97) 8203.34,520.97 8503.34,520.97 ccw(c8503.34,570.97) 8553.34,570.97 8553.34,1724.73 ccw(c8503.34,1724.73) 8503.34,1774.73 2659.91,1774.73 ccw(c2659.91,1724.73) 2609.91,1724.73 2609.57,235.73 ccw(c2659.57,235.73) 2659.57,185.73 4229.58,185.73 4299.29,255.45 4299.29,434.74 cw(c4370.18,435.69) 4441.07,435.44 4441.06,330.96

## Other copper
Top Layer:
  region net "VCC3.3V ": 4729,259 4725,255 4725,49.3 4728.23,46.08 4758.2,46.08 4761,48.88 4761,254 4756,259
  region net VCC12V: 4462,267 4449,254 4449,45 4456,38 4554,38 4561,45 4561,258 4552,267
Layer 1:
  pour cut-out: 2865.54,1554.74 2861.22,1552.95 2861.22,1524.64 2865.54,1522.85 2889.16,1522.85 2893.47,1524.64 2893.47,1552.95 2889.16,1554.74
  pour cut-out: 2865.54,1495.68 2861.22,1493.9 2861.22,1465.58 2865.54,1463.8 2889.16,1463.8 2893.47,1465.58 2893.47,1493.9 2889.16,1495.68
  pour cut-out: 2865.54,1318.52 2861.22,1316.73 2861.22,1288.42 2865.54,1286.63 2889.16,1286.63 2893.47,1288.42 2893.47,1316.73 2889.16,1318.52
  pour cut-out: 2865.54,1259.46 2861.22,1257.68 2861.22,1229.36 2865.54,1227.57 2889.16,1227.57 2893.47,1229.36 2893.47,1257.68 2889.16,1259.46
  pour cut-out: 2951.76,1279.15 2947.44,1277.36 2947.44,1249.05 2951.76,1247.26 2975.38,1247.26 2979.69,1249.05 2979.69,1277.36 2975.38,1279.15
  pour cut-out: 2951.76,1357.89 2947.44,1356.1 2947.44,1327.79 2951.76,1326 2975.38,1326 2979.69,1327.79 2979.69,1356.1 2975.38,1357.89
  pour cut-out: 2951.76,1515.37 2947.44,1513.58 2947.44,1485.27 2951.76,1483.48 2975.38,1483.48 2979.69,1485.27 2979.69,1513.58 2975.38,1515.37
  pour cut-out: 2951.76,1574.43 2947.44,1572.64 2947.44,1544.32 2951.76,1542.54 2975.38,1542.54 2979.69,1544.32 2979.69,1572.64 2975.38,1574.43
  pour cut-out: 3487.22,1241.44 3487.22,1270.97 3451.78,1270.97 3451.78,1241.44
  pour cut-out: 3487.22,1280.81 3487.22,1310.34 3451.78,1310.34 3451.78,1280.81
  pour cut-out: 3487.22,1320.18 3487.22,1349.71 3451.78,1349.71 3451.78,1320.18
  pour cut-out: 3487.22,1359.55 3487.22,1389.08 3451.78,1389.08 3451.78,1359.55
  pour cut-out: 3487.22,1202.07 3487.22,1231.6 3451.78,1231.6 3451.78,1202.07
  pour cut-out: 3487.22,1398.92 3487.22,1428.45 3451.78,1428.45 3451.78,1398.92
  pour cut-out: 3487.22,1438.29 3487.22,1467.82 3451.78,1467.82 3451.78,1438.29
  pour cut-out: 3487.22,1477.66 3487.22,1507.19 3451.78,1507.19 3451.78,1477.66
  pour cut-out: 3487.22,1517.03 3487.22,1546.56 3451.78,1546.56 3451.78,1517.03
  pour cut-out: 3487.22,1556.4 3487.22,1585.93 3451.78,1585.93 3451.78,1556.4
Layer 2:
  pour cut-out: 4136.82,931.72 4107.3,931.72 4107.3,896.28 4136.82,896.28
  pour cut-out: 4097.45,931.72 4067.93,931.72 4067.93,896.28 4097.45,896.28
  pour cut-out: 4058.08,931.72 4028.56,931.72 4028.56,896.28 4058.08,896.28
  pour cut-out: 4018.71,931.72 3989.19,931.72 3989.19,896.28 4018.71,896.28
  pour cut-out: 3979.34,931.72 3949.82,931.72 3949.82,896.28 3979.34,896.28
  pour cut-out: 3939.97,931.72 3910.45,931.72 3910.45,896.28 3939.97,896.28
  pour cut-out: 3900.6,931.72 3871.08,931.72 3871.08,896.28 3900.6,896.28
  pour cut-out: 3861.23,931.72 3831.71,931.72 3831.71,896.28 3861.23,896.28
  pour cut-out: 3821.86,931.72 3792.34,931.72 3792.34,896.28 3821.86,896.28
  pour cut-out: 3782.49,931.72 3752.97,931.72 3752.97,896.28 3782.49,896.28
  pour cut-out: 4138.93,484.22 4109.4,484.22 4109.4,448.78 4138.93,448.78
  pour cut-out: 4099.56,484.22 4070.03,484.22 4070.03,448.78 4099.56,448.78
  pour cut-out: 4060.19,484.22 4030.66,484.22 4030.66,448.78 4060.19,448.78
  pour cut-out: 4020.82,484.22 3991.29,484.22 3991.29,448.78 4020.82,448.78
  pour cut-out: 3981.45,484.22 3951.92,484.22 3951.92,448.78 3981.45,448.78
  pour cut-out: 3942.08,484.22 3912.55,484.22 3912.55,448.78 3942.08,448.78
  pour cut-out: 3902.71,484.22 3873.18,484.22 3873.18,448.78 3902.71,448.78
  pour cut-out: 3863.34,484.22 3833.81,484.22 3833.81,448.78 3863.34,448.78
  pour cut-out: 3823.97,484.22 3794.44,484.22 3794.44,448.78 3823.97,448.78
  pour cut-out: 3784.6,484.22 3755.07,484.22 3755.07,448.78 3784.6,448.78
  pour cut-out: 7945.6,1541.22 7916.07,1541.22 7916.07,1505.78 7945.6,1505.78
  pour cut-out: 7984.97,1541.22 7955.44,1541.22 7955.44,1505.78 7984.97,1505.78
  pour cut-out: 8024.34,1541.22 7994.81,1541.22 7994.81,1505.78 8024.34,1505.78
  pour cut-out: 8063.71,1541.22 8034.18,1541.22 8034.18,1505.78 8063.71,1505.78
  pour cut-out: 8103.08,1541.22 8073.55,1541.22 8073.55,1505.78 8103.08,1505.78
  pour cut-out: 8142.45,1541.22 8112.92,1541.22 8112.92,1505.78 8142.45,1505.78
  pour cut-out: 8181.82,1541.22 8152.29,1541.22 8152.29,1505.78 8181.82,1505.78
  pour cut-out: 8221.19,1541.22 8191.66,1541.22 8191.66,1505.78 8221.19,1505.78
  pour cut-out: 8260.56,1541.22 8231.03,1541.22 8231.03,1505.78 8260.56,1505.78
  pour cut-out: 8299.93,1541.22 8270.4,1541.22 8270.4,1505.78 8299.93,1505.78
  pour cut-out: 6414.2,463.64 6414.2,384.9 6347.27,384.9 6347.27,463.64
  pour cut-out: 6532.31,463.64 6532.31,384.9 6465.38,384.9 6465.38,463.64
  pour cut-out: 6729.16,463.64 6729.16,384.9 6662.23,384.9 6662.23,463.64
  pour cut-out: 6886.64,463.64 6886.64,384.9 6819.71,384.9 6819.71,463.64
  pour cut-out: 7044.12,463.64 7044.12,384.9 6977.19,384.9 6977.19,463.64
  pour cut-out: 6453.57,747.1 6453.57,668.36 6386.64,668.36 6386.64,747.1
  pour cut-out: 6650.42,747.1 6650.42,668.36 6583.49,668.36 6583.49,747.1
  pour cut-out: 6807.9,745.8 6807.9,667.06 6740.97,667.06 6740.97,745.8
  pour cut-out: 6965.38,747.1 6965.38,668.36 6898.45,668.36 6898.45,747.1
  pour cut-out: 6414.2,964.64 6414.2,885.9 6347.27,885.9 6347.27,964.64
  pour cut-out: 6532.31,964.64 6532.31,885.9 6465.38,885.9 6465.38,964.64
  pour cut-out: 6729.16,964.64 6729.16,885.9 6662.23,885.9 6662.23,964.64
  pour cut-out: 6886.64,964.64 6886.64,885.9 6819.71,885.9 6819.71,964.64
  pour cut-out: 7044.12,964.64 7044.12,885.9 6977.19,885.9 6977.19,964.64
  pour cut-out: 6453.57,1248.1 6453.57,1169.36 6386.64,1169.36 6386.64,1248.1
  pour cut-out: 6650.42,1248.1 6650.42,1169.36 6583.49,1169.36 6583.49,1248.1
  pour cut-out: 6807.9,1248.1 6807.9,1169.36 6740.97,1169.36 6740.97,1248.1
  pour cut-out: 6965.38,1248.1 6965.38,1169.36 6898.45,1169.36 6898.45,1248.1
  pour cut-out: 6453.57,1749.1 6453.57,1670.36 6386.64,1670.36 6386.64,1749.1
  pour cut-out: 6650.42,1749.1 6650.42,1670.36 6583.49,1670.36 6583.49,1749.1
  pour cut-out: 6807.9,1749.1 6807.9,1670.36 6740.97,1670.36 6740.97,1749.1
  pour cut-out: 6965.38,1749.1 6965.38,1670.36 6898.45,1670.36 6898.45,1749.1
  pour cut-out: 6414.2,1465.64 6414.2,1386.9 6347.27,1386.9 6347.27,1465.64
  pour cut-out: 6532.31,1465.64 6532.31,1386.9 6465.38,1386.9 6465.38,1465.64
  pour cut-out: 6729.16,1465.64 6729.16,1386.9 6662.23,1386.9 6662.23,1465.64
  pour cut-out: 6886.64,1465.64 6886.64,1386.9 6819.71,1386.9 6819.71,1465.64
  pour cut-out: 7044.12,1465.64 7044.12,1386.9 6977.19,1386.9 6977.19,1465.64
Bottom Layer:
  region net "VCC3.3V ": 4839,50.11 4834.97,46.08 4767.6,46.08 4763,50.67 4763,226.98 4752.98,237 4729,237 4725,241 4725,255 4729,259 4828,259 4839,248
  region net VCC12V: 4498,267 4488,257 4488,45 4493,40 4556,40 4562,46 4562,259 4554,267
  region net VCC3.3V-C: 6096,1753 6100,1749 6100,1670 6180,1590 6180,1391 6176,1387 6110,1387 6105,1392 6105,1477 6070,1512 6070,1749 6074,1753
  region net VCC3.3V-B: 6096,1252 6100,1248 6100,1169 6180,1089 6180,890 6176,886 6110,886 6105,891 6105,976 6070,1011 6070,1248 6074,1252
  region net VCC3.3V-A: 6096,751 6100,747 6100,668 6180,588 6180,389 6176,385 6110,385 6105,390 6105,475 6070,510 6070,747 6074,751
  region net VCC3.3V-C: 5563,1711 5571,1703 5571,1648 5561,1638 5433,1638 5419,1624 5419,1564 5445,1538 5445,1508 5439,1502 5307,1502 5298,1511 5298,1677 5332,1711
  region net NetC24_2: 4999,1621 5004,1616 5043,1616 5053,1606 5053,1511 5062,1502 5172,1502 5180,1510 5180,1632 5167,1645 5002,1645 4999,1642
  region net VCC12V: 5038.9,1603.1 5046,1596 5046,1528 5038,1520 5007,1520 4986,1499 4931,1499 4925,1505 4925,1559.98 4968.12,1603.1
  region net VCC3.3V-B: 5563,1205 5571,1197 5571,1142 5561,1132 5433,1132 5419,1118 5419,1058 5445,1032 5445,1002 5439,996 5307,996 5298,1005 5298,1171 5332,1205
  region net NetC17_2: 4999,1115 5004,1110 5043,1110 5053,1100 5053,1005 5062,996 5172,996 5180,1004 5180,1126 5167,1139 5002,1139 4999,1136
  region net VCC12V: 5038.9,1097.1 5046,1090 5046,1022 5038,1014 5007,1014 4986,993 4931,993 4925,999 4925,1053.98 4968.12,1097.1
  region net VCC12V: 5038.9,592.1 5046,585 5046,517 5038,509 5007,509 4986,488 4931,488 4925,494 4925,548.98 4968.12,592.1
  region net NetC10_2: 4999,610 5004,605 5043,605 5053,595 5053,500 5062,491 5172,491 5180,499 5180,621 5167,634 5002,634 4999,631
  region net VCC3.3V-A: 5563,700 5571,692 5571,637 5561,627 5433,627 5419,613 5419,553 5445,527 5445,497 5439,491 5307,491 5298,500 5298,666 5332,700

## Silkscreen, mask and mechanical layers (free items; w line width, h text height)
Bottom Overlay:
  text "PexCard Ver0.1" at 3555,594 h60
  text "Pcie4.0 x8 x4 x4" at 3555,500.33 h60
  text "misaka10039" at 3555,406.67 h60
  text "2026/1/17" at 3555,313 h60
Top Solder:
  region: 4441,227 7754,227 7760,221 7760,20 7740,0 4461,0 4441,20
Bottom Solder:
  region: 4441,227 7754,227 7760,221 7760,20 7740,0 4461,0 4441,20
Mechanical 1:
  lines w0.5: 8503.34,520.97 ccw(c8503.34,570.97) 8553.34,570.97 ; 8503.34,520.97 ccw(c8503.34,570.97) 8553.34,570.97 ; 8503.34,520.97 8203.34,520.97 ccw(c8203.34,470.97) 8153.34,470.97 8153.34,380.97 ccw(c8203.34,380.97) 8203.34,330.97 8368.34,330.97 8368.34,235.97 8313.34,135.97 7888.34,135.97 7868.34,155.97 7868.23,330.99 ccw(c7814.1,330.99) 7759.96,330.96 7759.96,19.93 7740.28,0.25 4976.5,0.25 4956.81,19.93 4956.81,293.56 ccw(c4919.41,293.56) 4882.01,293.56 4882.01,19.93 4862.32,0.25 4460.75,0.25 4441.06,19.93 4441.06,330.96 4441.07,435.44 ccw(c4370.18,435.69) 4299.29,434.74 4299.29,255.45 4229.58,185.73 2659.57,185.73 cw(c2659.57,235.73) 2609.57,235.73 2609.91,1724.73 cw(c2659.91,1724.73) 2659.91,1774.73 8503.34,1774.73 cw(c8503.34,1724.73) 8553.34,1724.73 8553.34,570.97

## Text inside footprints (layer, text, board x,y; h text height)
J1: Mechanical 13 "PCB EDGE" at 2624,1546 h30 r270
JP1: Bottom Overlay "I-PEX" at 7983.6,1384.34 h31.5
JP2: Bottom Overlay "I-PEX" at 3820.49,774.84 h31.5
JP3: Bottom Overlay "I-PEX" at 3822.59,327.34 h31.5
JP4: Top Overlay "I-PEX" at 3608.66,1518.4 h31.5 r90